# Altium PCB fpgav2.2.PcbDoc (part 1 of 5)
Units mm, origin at the board's own origin, x right, y up, seen from the top; angles counter-clockwise.
Board outline 100 x 100 mm, 4 copper layers (Top Layer, S1, S2, Bottom Layer), stack 1.853 mm thick; 11 components, 223 nets, 672 pads, 762 vias.
Unrouted connection lines stored in the file: 7.
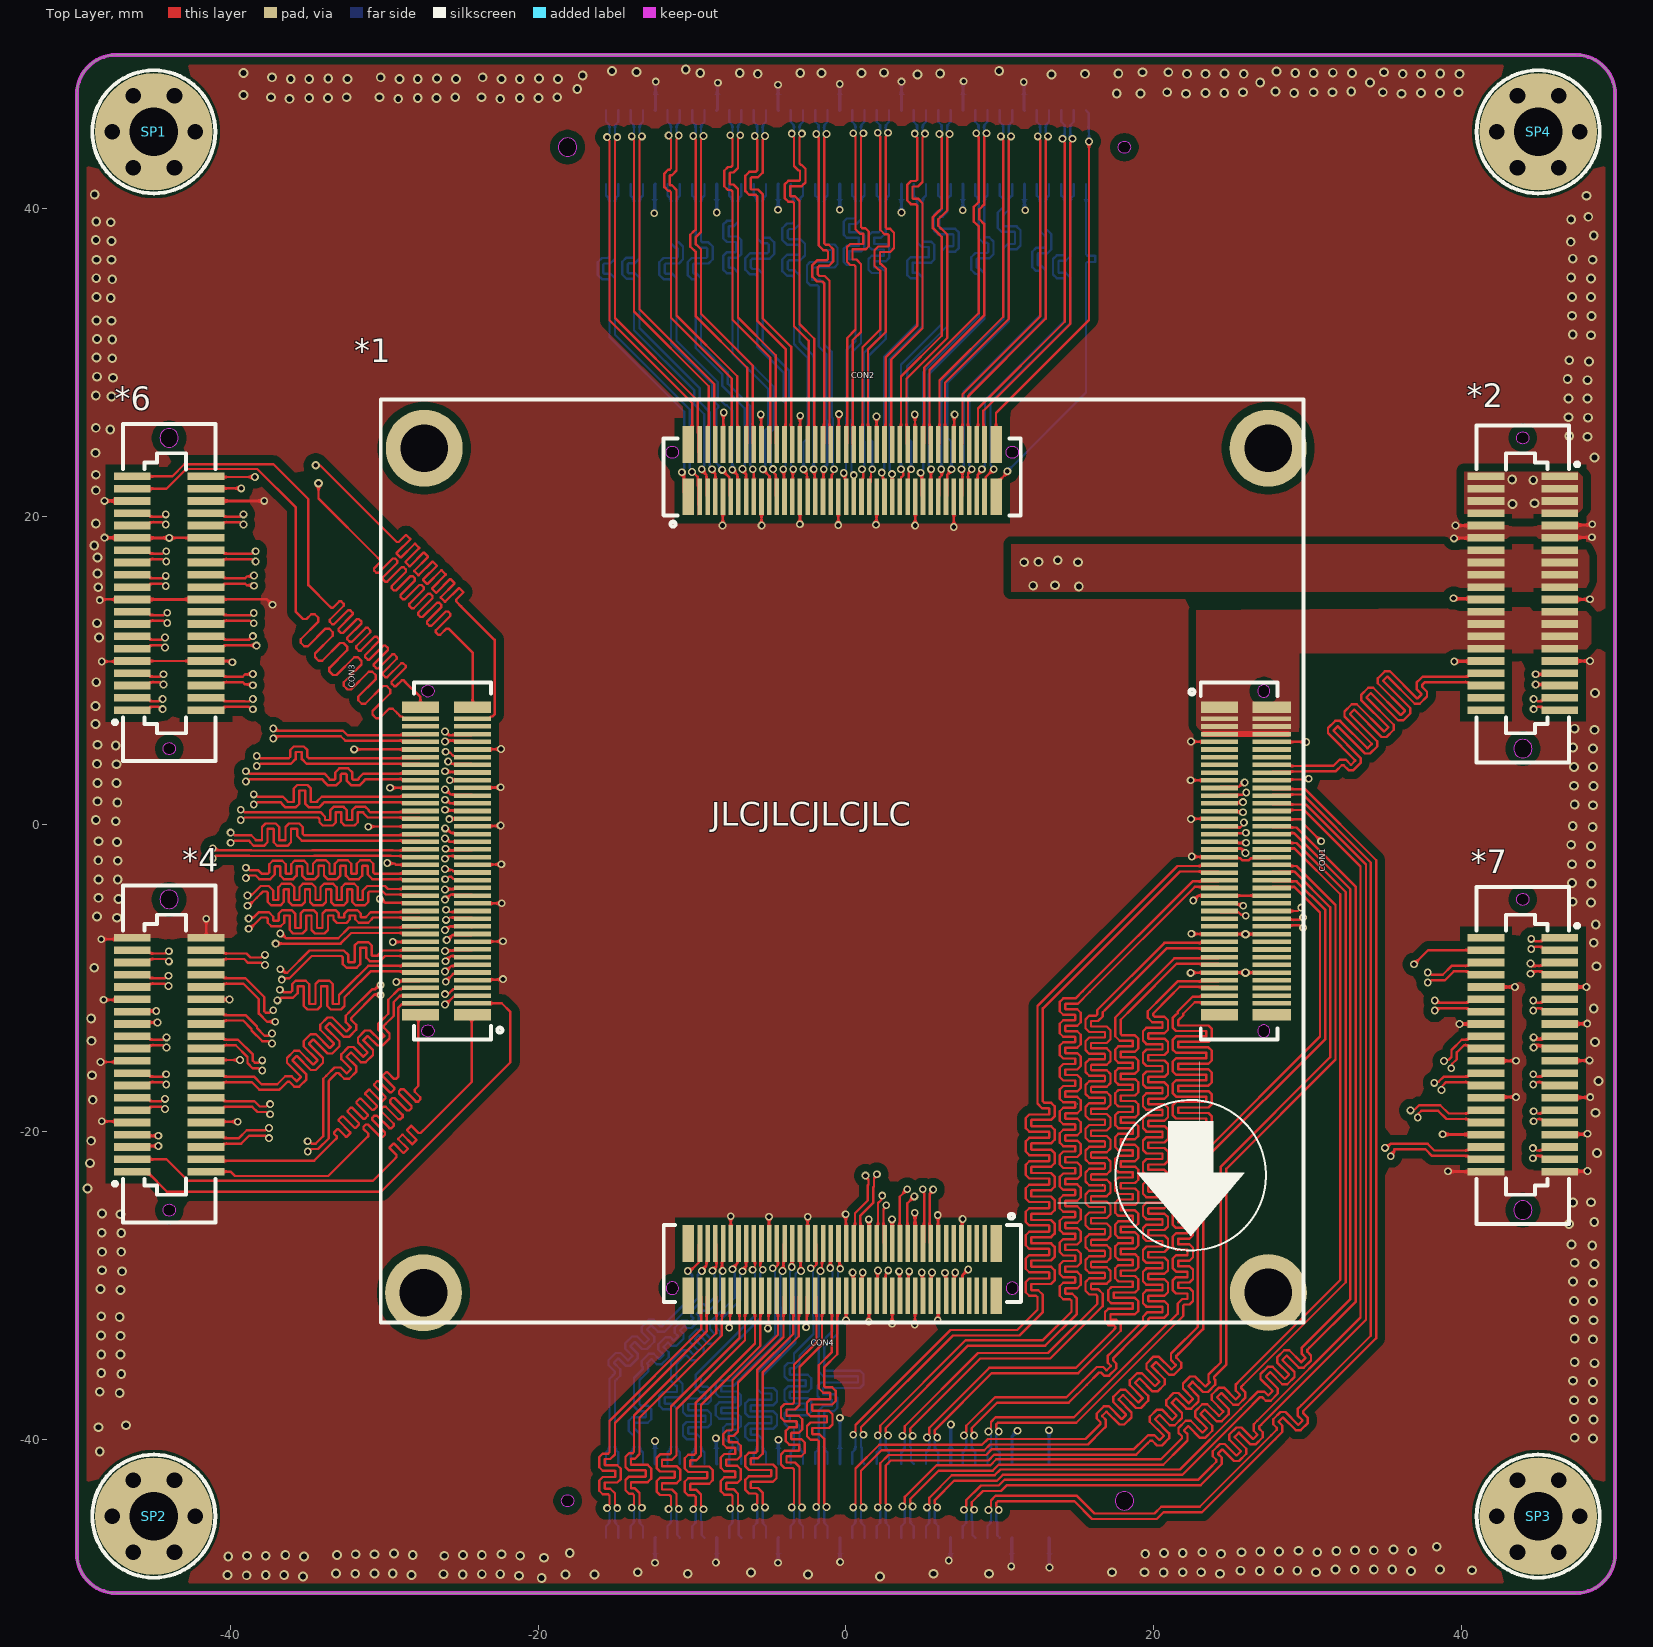
[diagram p0: Top Layer view]
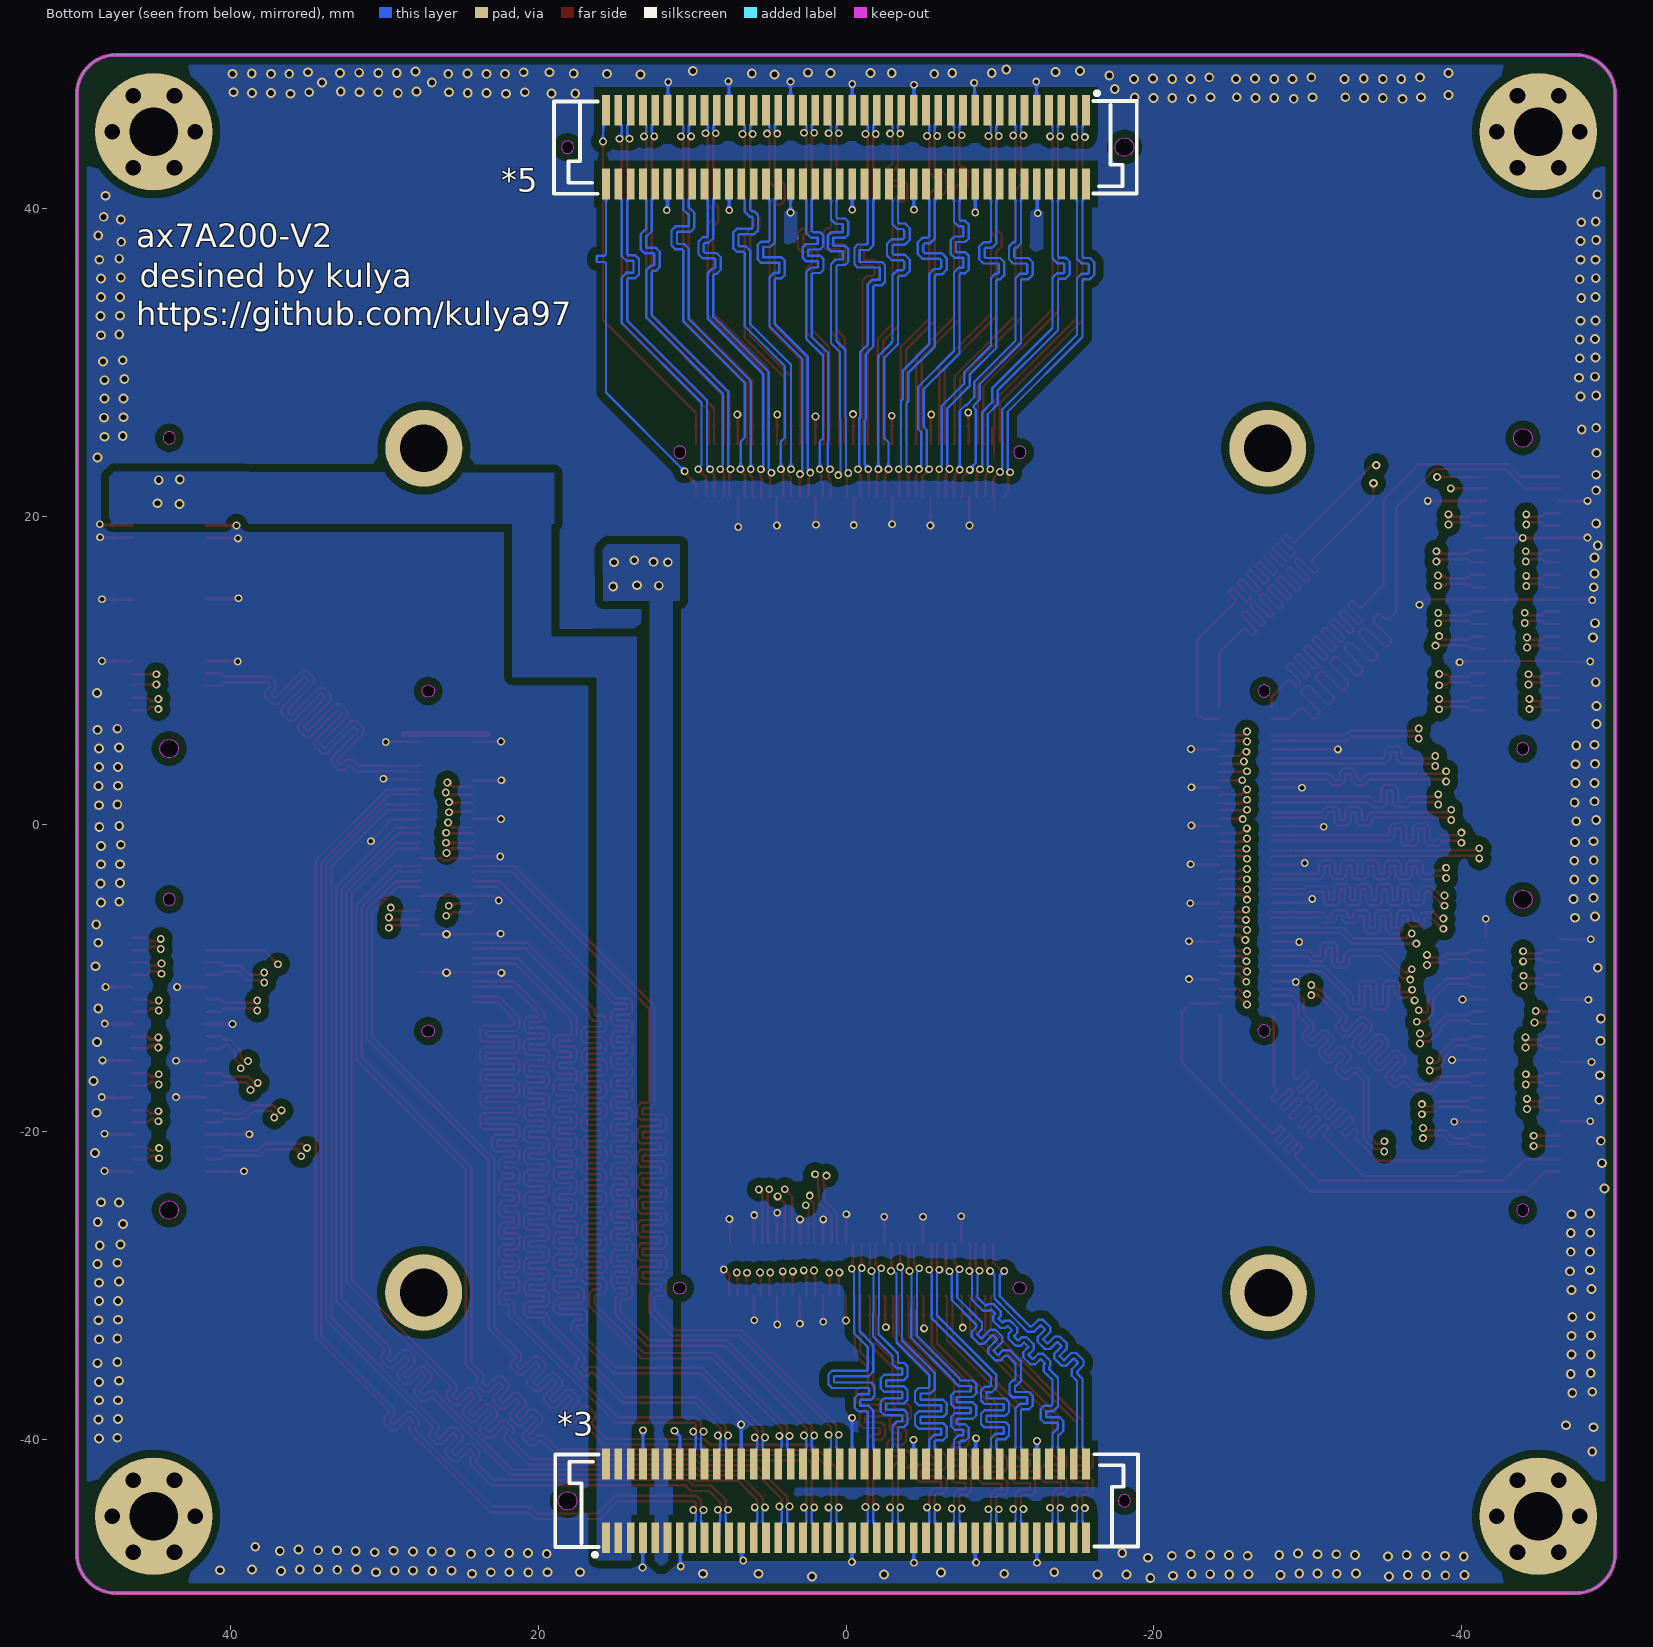
[diagram p1: Bottom Layer view, seen from below]
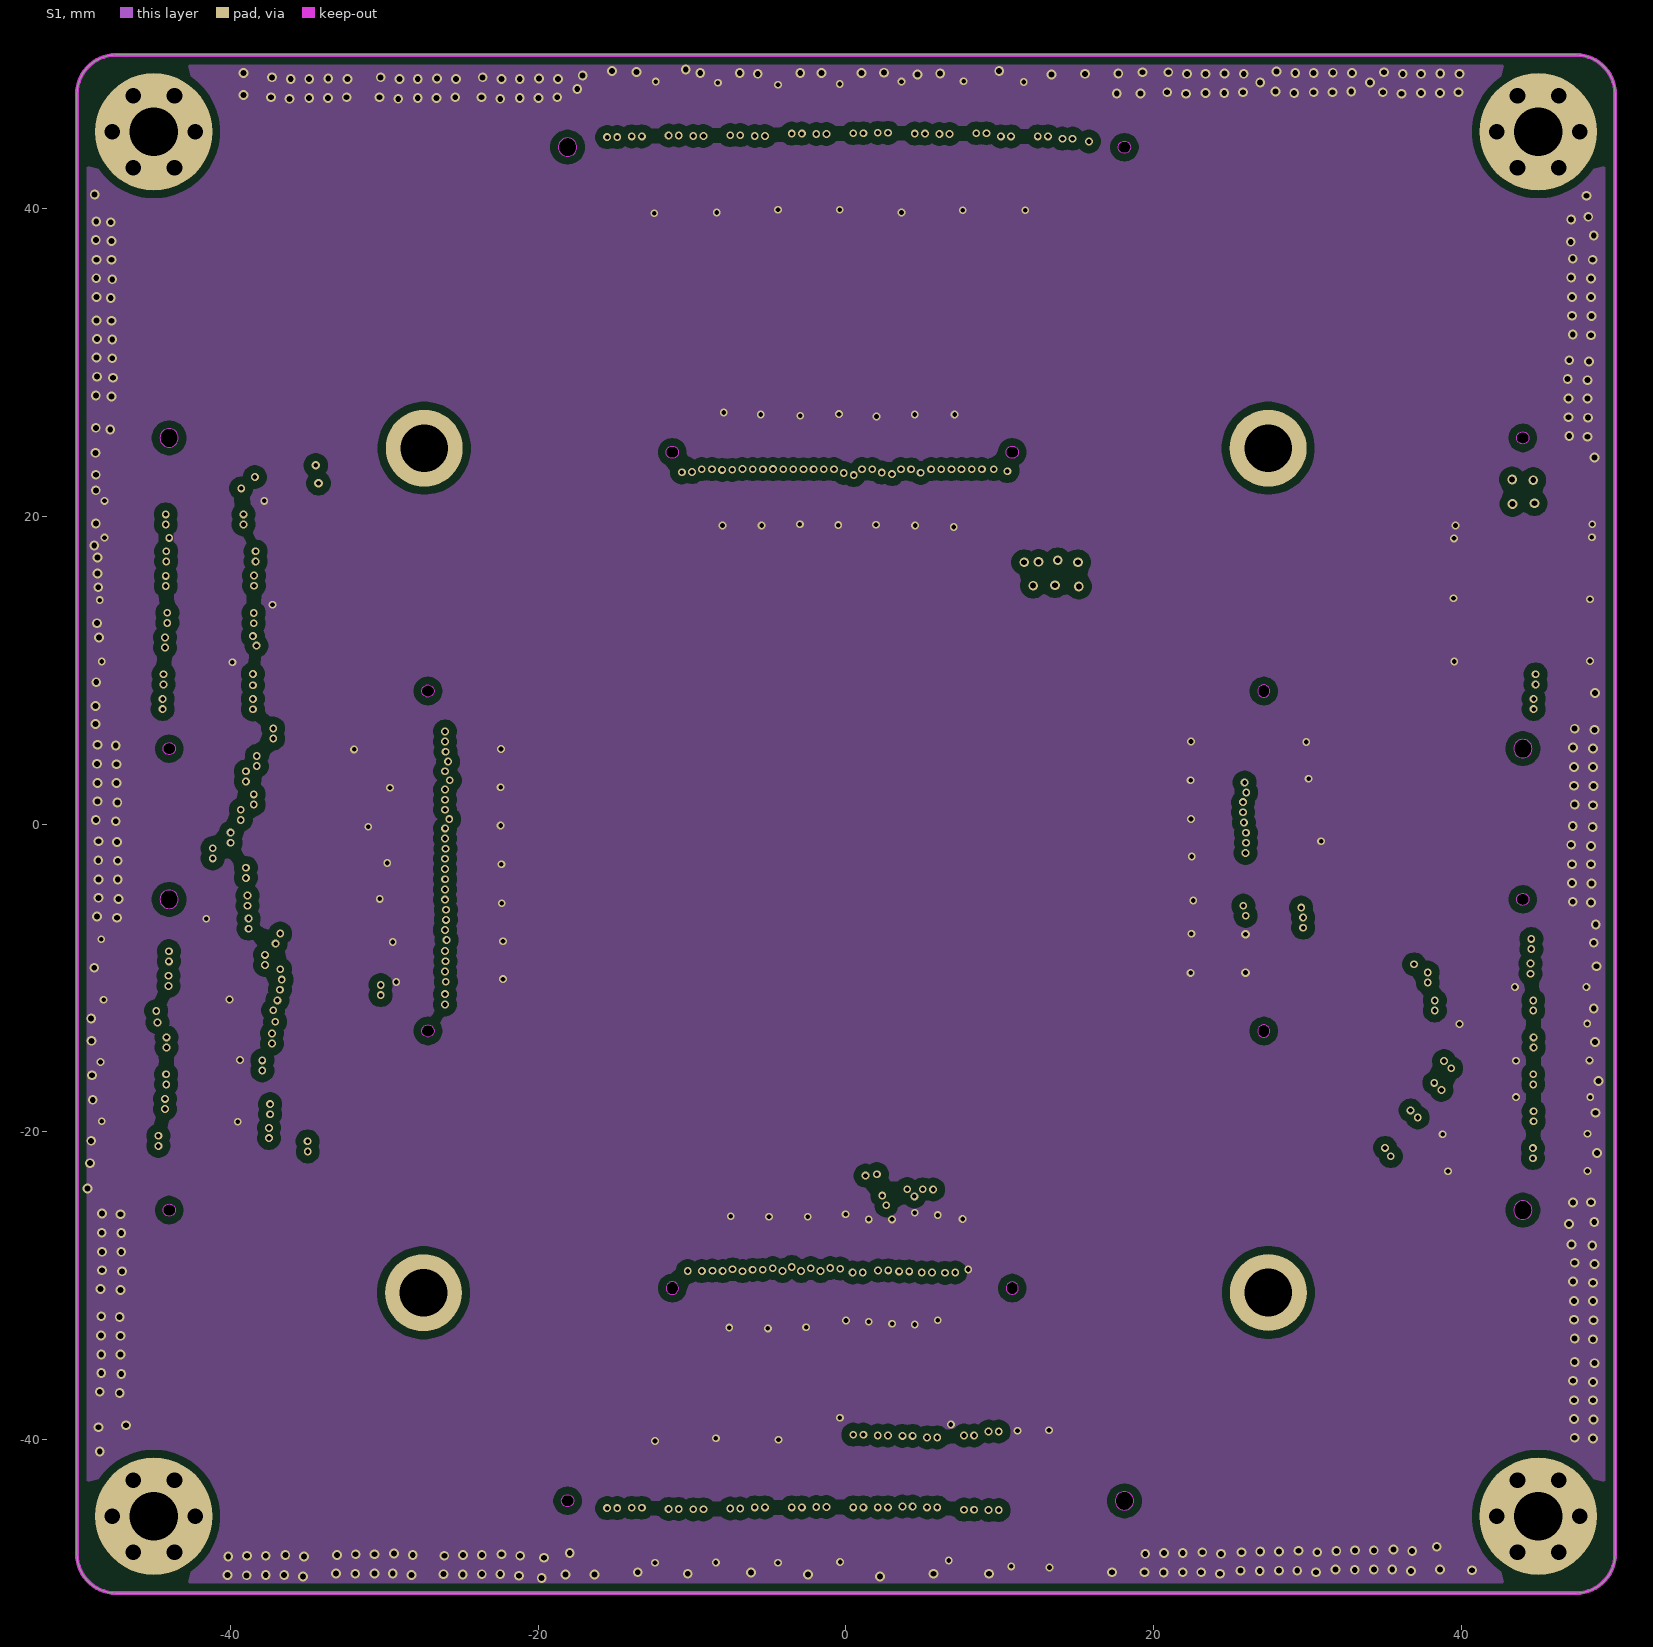
[diagram p2: S1]
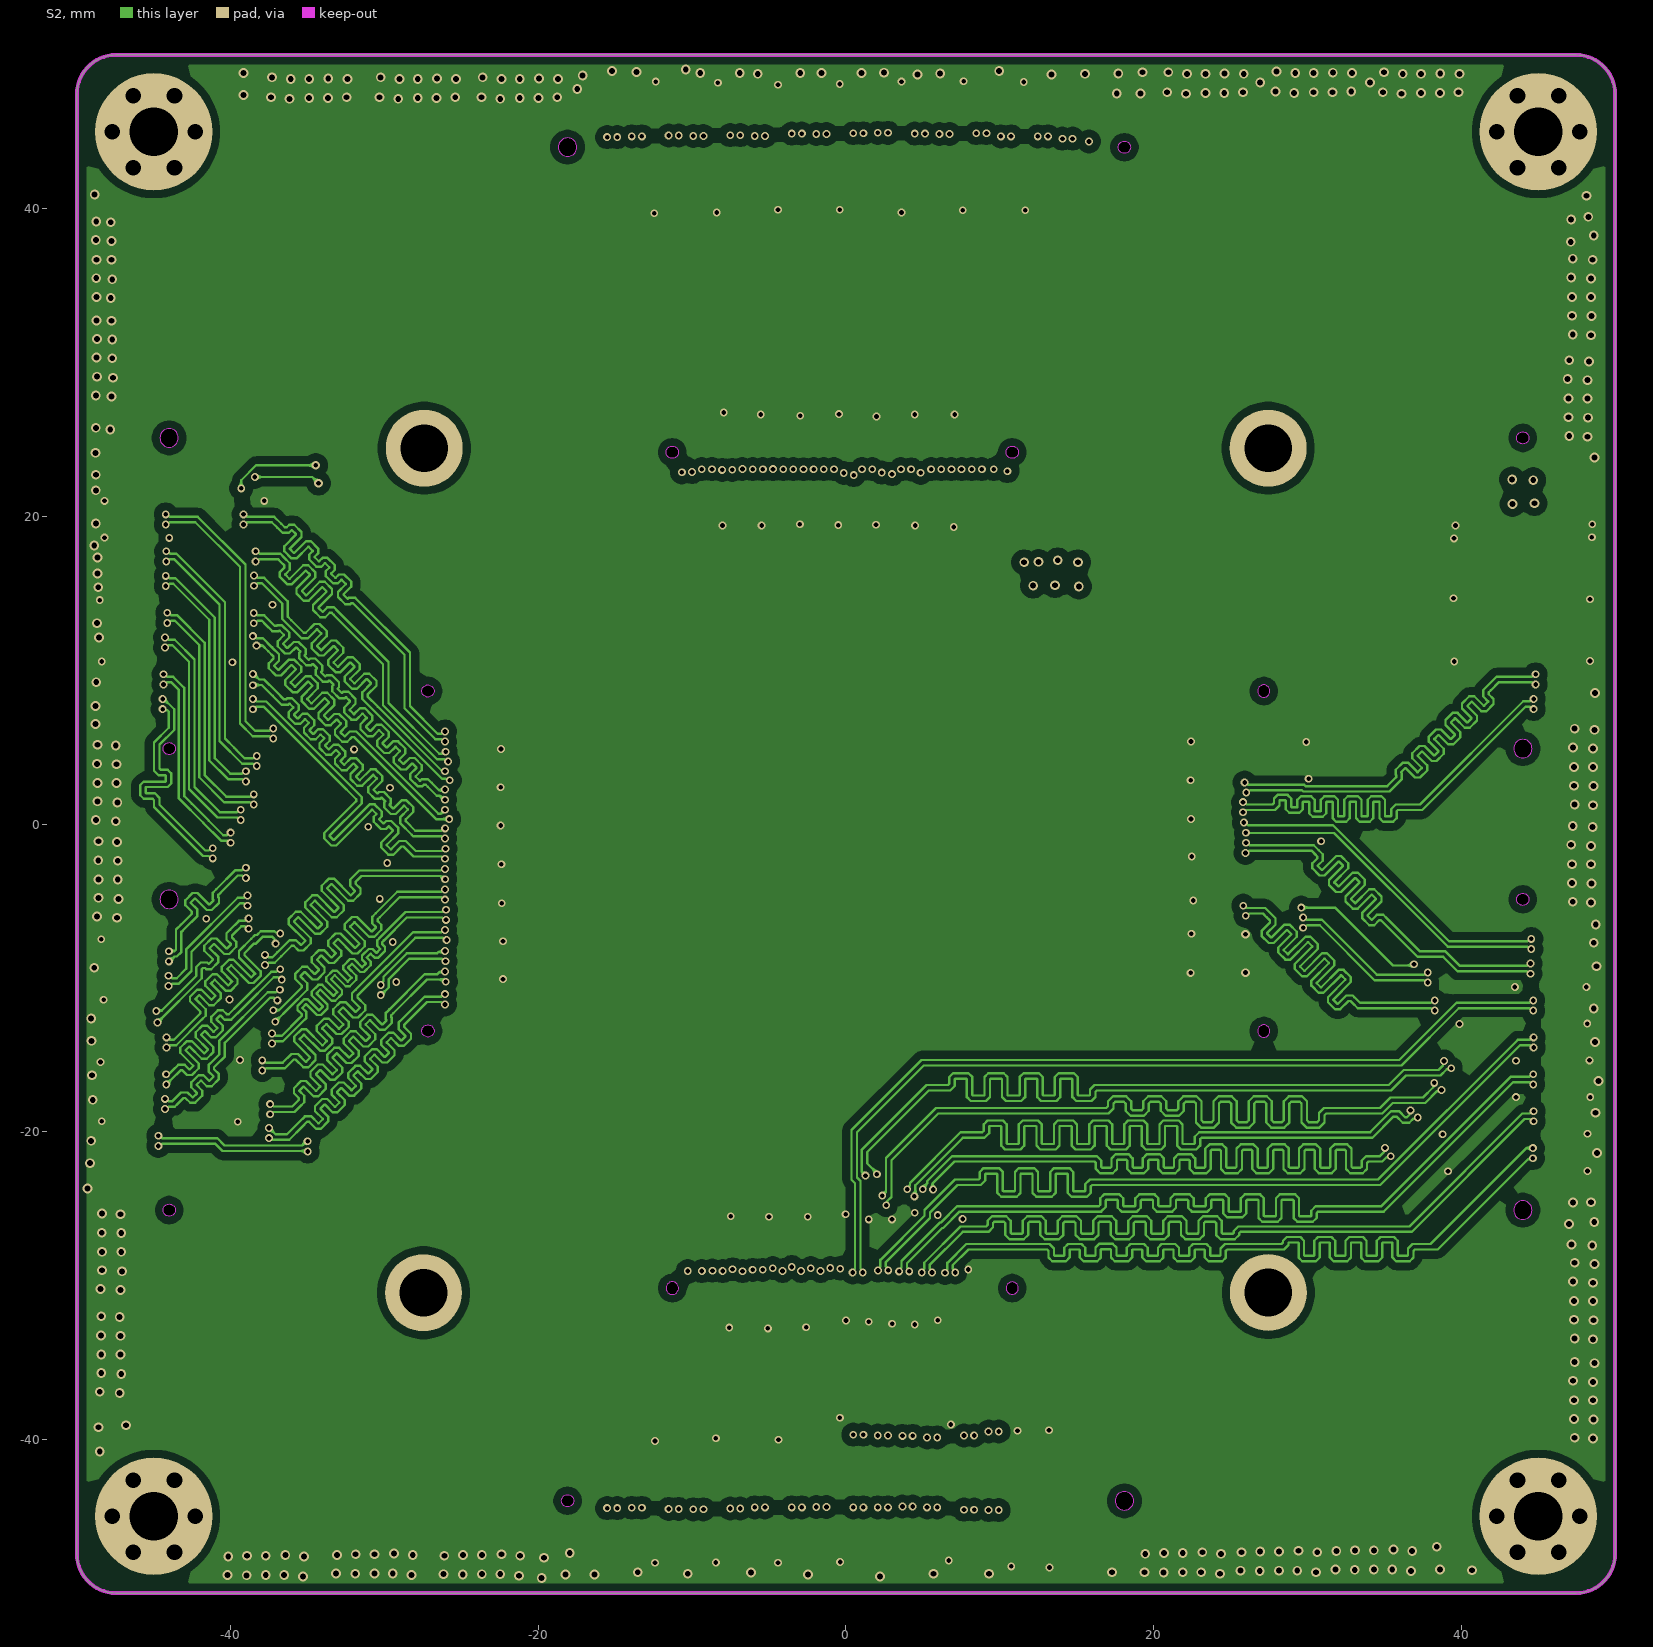
[diagram p3: S2]

## Layer stack, top to bottom
Top Solder: solder mask 0.0102, Solder Resist, Dk 3.5
Top Layer: signal copper 0.0356
Dielectric 2: prepreg 0.0711, PP-006, Dk 4.1
S1: signal copper 0.035
Dielectric 1: dielectric 1.57, FR-4, Dk 4.8
S2: signal copper 0.035
Dielectric 3: prepreg 0.0711, PP-006, Dk 4.1
Bottom Layer: signal copper 0.0356
Bottom Solder: solder mask 0.0102, Solder Resist, Dk 3.5

## Board outline
-50,-47.46 -50,47.46 cw(c-47.46,47.46) -47.46,50 47.46,50 cw(c47.46,47.46) 50,47.46 50,-47.46 cw(c47.46,-47.46) 47.46,-50 -47.46,-50 cw(c-47.46,-47.46)

## Design rules (kind name [scope] priority, off if disabled: settings)
Clearance polygon [InPolygon] p1: gap=0.508 ignorepadtopadclearanceinfootprint=FALSE
Clearance [All] p2: gap=0.152 ignorepadtopadclearanceinfootprint=FALSE
DiffPairsRouting [All] p1: maxlimit=0.254 minlimit=0.203 mostfreqgap=0.203 toplayer_minwidth=0.152 toplayer_maxwidth=0.381 toplayer_prefwidth=0.203 midlayer1_minwidth=0.152 midlayer1_maxwidth=0.381 midlayer1_prefwidth=0.203 midlayer2_minwidth=0.152 midlayer2_maxwidth=0.381 midlayer2_prefwidth=0.203 bottomlayer_minwidth=0.152 bottomlayer_maxwidth=0.381 bottomlayer_prefwidth=0.203 maxuncoupledlength=12.7
HoleToHoleClearance [All] p1: gap=0 allowstackedmicrovias=TRUE
MinimumSolderMaskSliver [All] p1: minsoldermaskwidth=0
PlaneConnect [All] p1: planeconnectstyle=Direct reliefexpansion=0.508 reliefentries=4 reliefconductorwidth=0.254 reliefairgap=0.254
PolygonConnect [All] p1: connectstyle=Direct reliefconductorwidth=0.254 reliefentries=4 polygonreliefangle="90 Angle" airgapwidth=0.254
RoutingVias [All] p1: holewidth=0.305 width=0.508 viastyle="Through Hole" minholewidth=0.305 minwidth=0.508 maxholewidth=0.762 maxwidth=1.778
SilkToSilkClearance [All] p1: silktosilkclearance=0
SilkToSolderMaskClearance [IsPad] p1: minsilkscreentomaskgap=0 clearancetoexposedcopper=TRUE
SolderMaskExpansion [All] p1: expansion=0.102 istentingtop=FALSE
Width pwr [InNetClass('pwr')] p1: maxlimit=1.27 minlimit=0.152 preferedwidth=0.508
Width sign [All] p2: maxlimit=1.27 minlimit=0.152 preferedwidth=0.254
24 further rules are at their usual default settings.

## Classes and differential pairs
component class FPGA: *1 *2 *4 *5 *7 SP1 SP2 SP3 SP4

## Components (designator, comment, footprint, x,y, rotation, side; value= is the part's Value field where it differs from the comment)
*1 "AX7A200" AX7A200 0,-3 r0 top locked
*2 "BTB-08-40-G-H1.0" BTB-08-40-G-H1.0 44,15 r270 top locked
*3 "BTB-08-80-G" BTB-08-80-M 0,-44 r180 bottom locked
*4 "BTB-08-40-G-H1.0" BTB-08-40-G-H1.0 -44,-15 r90 top locked
*5 "BTB-08-80-G" BTB-08-80-M 0,44 r0 bottom locked
*6 "BTB-08-40-G-H1.0" BTB-08-40-G-H1.0 -44,15 r90 top locked (schematic designator *7)
*7 "BTB-08-40-G-H1.0" BTB-08-40-G-H1.0 44,-15 r270 top locked (schematic designator *6)
SP1 "M3铜柱" M3x10_N -45,45 r0 top locked
SP2 "M3铜柱" M3x10_N -45,-45 r0 top locked
SP3 "M3铜柱" M3x10_N 45,-45 r0 top locked
SP4 "M3铜柱" M3x10_N 45,45 r0 top locked

## Footprints (in the part's own frame and the unit in brackets; to place one, negate y for a bottom-side part, rotate by r counter-clockwise, add the part's x,y. Pads: shape width x height; smd on the part's side, far side on the other; paste and mask are expansions set on the pad)
AX7A200 [mm]
  rect 2.4x0.75 smd mask+0.05: 1(24.272,10.591) 79(24.272,-9.409) 161(-24.272,-9.404) 162(-27.671,-9.404) 239(-24.272,10.596) 240(-27.671,10.596)
  rect 2.5x0.75 smd mask+0.05: 2(27.671,10.591) 80(27.671,-9.409)
  rect 2.4x0.3 smd mask+0.05: 3(24.272,9.841) 5(24.272,9.341) 7(24.272,8.841) 9(24.272,8.341) 11(24.272,7.841) 13(24.272,7.341) 15(24.272,6.841) 17(24.272,6.341) 19(24.272,5.841) 21(24.272,5.341) 23(24.272,4.841) 25(24.272,4.341) 27(24.272,3.841) 29(24.272,3.341) 31(24.272,2.842) 33(24.272,2.341) 35(24.272,1.842) 37(24.272,1.341) 39(24.272,0.842) 41(24.272,0.341) 43(24.272,-0.158) 45(24.272,-0.658) 47(24.272,-1.158) 49(24.272,-1.658) 51(24.272,-2.158) 53(24.272,-2.659) 55(24.272,-3.158) 57(24.272,-3.659) 59(24.272,-4.159) 61(24.272,-4.659) 63(24.272,-5.159) 65(24.272,-5.659) 67(24.272,-6.159) 69(24.272,-6.659) 71(24.272,-7.159) 73(24.272,-7.659) 75(24.272,-8.159) 77(24.272,-8.659) 163(-24.272,-8.653) 164(-27.671,-8.653) 165(-24.272,-8.153) 166(-27.671,-8.153) 167(-24.272,-7.654) 168(-27.671,-7.654) 169(-24.272,-7.153) 170(-27.671,-7.153) 171(-24.272,-6.654) 172(-27.671,-6.654) 173(-24.272,-6.153) 174(-27.671,-6.153) 175(-24.272,-5.654) 176(-27.671,-5.654) 177(-24.272,-5.153) 178(-27.671,-5.154) 179(-24.272,-4.654) 180(-27.671,-4.654) 181(-24.272,-4.154) 182(-27.671,-4.154) 183(-24.272,-3.654) 184(-27.671,-3.654) 185(-24.272,-3.154) 186(-27.671,-3.154) 187(-24.272,-2.654) 188(-27.671,-2.654) 189(-24.272,-2.154) 190(-27.671,-2.154) 191(-24.272,-1.654) 192(-27.671,-1.654) 193(-24.272,-1.154) 194(-27.671,-1.154) 195(-24.272,-0.654) 196(-27.671,-0.654) 197(-24.272,-0.154) 198(-27.671,-0.154) 199(-24.272,0.346) 200(-27.671,0.346) 201(-24.272,0.846) 202(-27.671,0.846) 203(-24.272,1.346) 204(-27.671,1.346) 205(-24.272,1.846) 206(-27.671,1.846) 207(-24.272,2.346) 208(-27.671,2.346) 209(-24.272,2.846) 210(-27.671,2.846) 211(-24.272,3.346) 212(-27.671,3.346) 213(-24.272,3.846) 214(-27.671,3.846) 215(-24.272,4.346) 216(-27.671,4.346) 217(-24.272,4.846) 218(-27.671,4.846) 219(-24.272,5.346) 220(-27.671,5.346) 221(-24.272,5.846) 222(-27.671,5.846) 223(-24.272,6.346) 224(-27.671,6.346) 225(-24.272,6.847) 226(-27.671,6.846) 227(-24.272,7.346) 228(-27.671,7.346) 229(-24.272,7.847) 230(-27.671,7.847) 231(-24.272,8.346) 232(-27.671,8.346) 233(-24.272,8.847) 234(-27.671,8.847) 235(-24.272,9.347) 236(-27.671,9.346) 237(-24.272,9.847) 238(-27.671,9.847)
  rect 2.5x0.3 smd mask+0.05: 4(27.671,9.841) 6(27.671,9.341) 8(27.671,8.841) 10(27.671,8.341) 12(27.671,7.841) 14(27.671,7.341) 16(27.671,6.841) 18(27.671,6.341) 20(27.671,5.841) 22(27.671,5.341) 24(27.671,4.841) 26(27.671,4.341) 28(27.671,3.842) 30(27.671,3.341) 32(27.671,2.842) 34(27.671,2.341) 36(27.671,1.842) 38(27.671,1.341) 40(27.671,0.842) 42(27.671,0.342) 44(27.671,-0.158) 46(27.671,-0.658) 48(27.671,-1.158) 50(27.671,-1.658) 52(27.671,-2.158) 54(27.671,-2.658) 56(27.671,-3.158) 58(27.671,-3.659) 60(27.671,-4.158) 62(27.671,-4.659) 64(27.671,-5.159) 66(27.671,-5.659) 68(27.671,-6.159) 70(27.671,-6.659) 72(27.671,-7.159) 74(27.671,-7.659) 76(27.671,-8.159) 78(27.671,-8.659)
  rect 0.75x2.4 smd mask+0.05: 81(-10.246,24.272) 82(-10.246,27.671) 159(9.754,24.272) 160(9.754,27.671) 241(9.759,-24.272) 242(9.759,-27.671) 319(-10.241,-24.272) 320(-10.241,-27.671)
  rect 0.3x2.4 smd mask+0.05: 83(-9.495,24.272) 84(-9.495,27.671) 85(-8.995,24.272) 86(-8.995,27.671) 87(-8.496,24.272) 88(-8.496,27.671) 89(-7.995,24.272) 90(-7.995,27.671) 91(-7.496,24.272) 92(-7.496,27.671) 93(-6.995,24.272) 94(-6.995,27.671) 95(-6.496,24.272) 96(-6.496,27.671) 97(-5.995,24.272) 98(-5.996,27.671) 99(-5.496,24.272) 100(-5.496,27.671) 101(-4.996,24.272) 102(-4.996,27.671) 103(-4.496,24.272) 104(-4.496,27.671) 105(-3.996,24.272) 106(-3.996,27.671) 107(-3.496,24.272) 108(-3.496,27.671) 109(-2.996,24.272) 110(-2.996,27.671) 111(-2.496,24.272) 112(-2.496,27.671) 113(-1.996,24.272) 114(-1.996,27.671) 115(-1.496,24.272) 116(-1.496,27.671) 117(-0.996,24.272) 118(-0.996,27.671) 119(-0.496,24.272) 120(-0.496,27.671) 121(0.004,24.272) 122(0.004,27.671) 123(0.504,24.272) 124(0.504,27.671) 125(1.004,24.272) 126(1.004,27.671) 127(1.504,24.272) 128(1.504,27.671) 129(2.004,24.272) 130(2.004,27.671) 131(2.504,24.272) 132(2.504,27.671) 133(3.004,24.272) 134(3.004,27.671) 135(3.504,24.272) 136(3.504,27.671) 137(4.004,24.272) 138(4.004,27.671) 139(4.504,24.272) 140(4.504,27.671) 141(5.004,24.272) 142(5.004,27.671) 143(5.504,24.272) 144(5.504,27.671) 145(6.005,24.272) 146(6.004,27.671) 147(6.504,24.272) 148(6.504,27.671) 149(7.005,24.272) 150(7.005,27.671) 151(7.504,24.272) 152(7.504,27.671) 153(8.005,24.272) 154(8.005,27.671) 155(8.505,24.272) 156(8.504,27.671) 157(9.005,24.272) 158(9.005,27.671) 243(9.008,-24.272) 244(9.008,-27.671) 245(8.509,-24.272) 246(8.509,-27.671) 247(8.009,-24.272) 248(8.009,-27.671) 249(7.509,-24.272) 250(7.509,-27.671) 251(7.009,-24.272) 252(7.009,-27.671) 253(6.509,-24.272) 254(6.509,-27.671) 255(6.009,-24.272) 256(6.009,-27.671) 257(5.509,-24.272) 258(5.509,-27.671) 259(5.009,-24.272) 260(5.009,-27.671) 261(4.509,-24.272) 262(4.509,-27.671) 263(4.009,-24.272) 264(4.009,-27.671) 265(3.509,-24.272) 266(3.509,-27.671) 267(3.009,-24.272) 268(3.009,-27.671) 269(2.509,-24.272) 270(2.509,-27.671) 271(2.009,-24.272) 272(2.009,-27.671) 273(1.509,-24.272) 274(1.509,-27.671) 275(1.009,-24.272) 276(1.009,-27.671) 277(0.509,-24.272) 278(0.509,-27.671) 279(0.009,-24.272) 280(0.009,-27.671) 281(-0.491,-24.272) 282(-0.491,-27.671) 283(-0.991,-24.272) 284(-0.991,-27.671) 285(-1.491,-24.272) 286(-1.491,-27.671) 287(-1.991,-24.272) 288(-1.991,-27.671) 289(-2.491,-24.272) 290(-2.491,-27.671) 291(-2.991,-24.272) 292(-2.991,-27.671) 293(-3.491,-24.272) 294(-3.491,-27.671) 295(-3.991,-24.272) 296(-3.991,-27.671) 297(-4.491,-24.272) 298(-4.491,-27.671) 299(-4.991,-24.272) 300(-4.991,-27.671) 301(-5.491,-24.272) 302(-5.491,-27.671) 303(-5.991,-24.272) 304(-5.991,-27.671) 305(-6.491,-24.272) 306(-6.491,-27.671) 307(-6.991,-24.272) 308(-6.991,-27.671) 309(-7.491,-24.272) 310(-7.491,-27.671) 311(-7.991,-24.272) 312(-7.991,-27.671) 313(-8.491,-24.272) 314(-8.491,-27.671) 315(-8.992,-24.272) 316(-8.991,-27.671) 317(-9.491,-24.272) 318(-9.491,-27.671)